# Altium PCB EMDO601_Patch.PcbDoc (part 1 of 3) (continued)
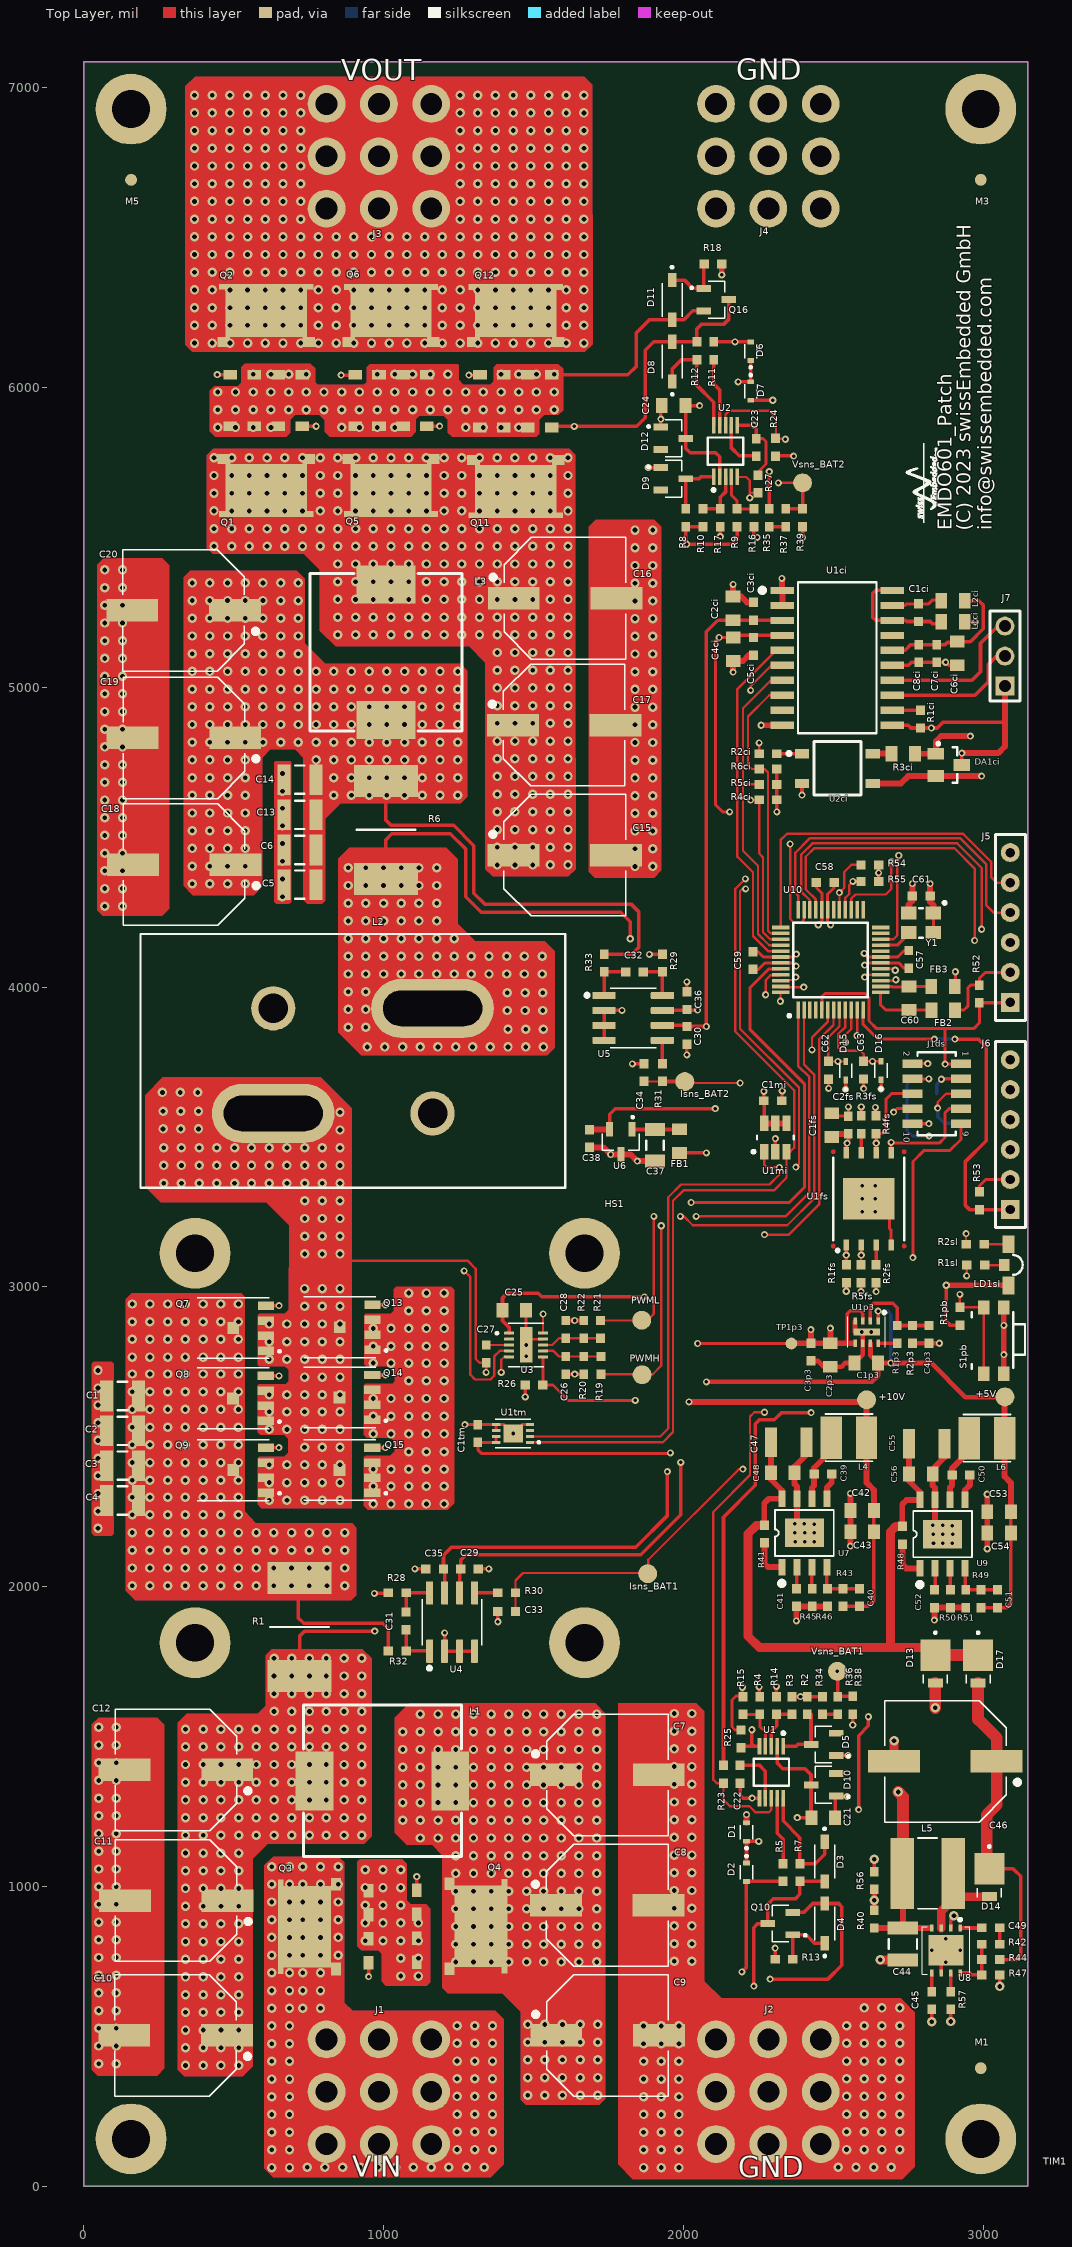
[diagram p0: Top Layer view]
## Components (designator, comment, footprint, x,y, rotation, side; value= is the part's Value field where it differs from the comment)
+5V "NO FIT" TP_1 3072.83,2632.87 r180 top value=TP
+10V "NO FIT" TP_1 2611.22,2623.03 r90 top value=TP
C1 "10u/75V" C1210#1 128.94,2635.83 r180 top
C1ci "220n" C0603 2783.96,5249.21 r270 top
C1fs "10u" C0805 2495.08,3539.67 r270 top
C1mi "100n" C0603 2298.33,3621.06 r180 top
C1p3 "10u" C0805 2610.24,2746.06 r0 top
C1tm "100n" C0603 1314.22,2510.83 r270 top
C2 "10u/75V" C1210#1 128.94,2519.69 r180 top
C2ci "10u" C0805 2165.85,5263.48 r270 top
C2fs "100n" C0603 2550.2,3539.67 r270 top
C2p3 "10u" C0805 2490.16,2772.64 r90 top
C3 "10u/75V" C1210#1 128.94,2403.54 r180 top
C3ci "100n" C0603 2233.76,5253.64 r270 top
C3p3 "100n" C0603 2425.2,2782.48 r90 top
C4 "10u/75V" C1210#1 128.94,2287.4 r180 top
C4ci "10u" C0805 2166.09,5126.97 r90 top
C4p3 "470p" C0603 2819.88,2841.54 r90 top
C5 "10u/75V" C1210#1 720.47,4341.54 r180 top
C5ci "100n" C0603 2234.01,5136.81 r90 top
C6 "10u/75V" C1210#1 720.47,4457.68 r180 top
C6ci "10u" C0805 2913.39,5113.19 r90 top
C7 "100uF/80V" CAP_80SXV47M 1746.63,1371.98 r0 top
C7ci "100n" C0603 2845.47,5113.19 r90 top
C8 "100uF/80V" CAP_80SXV47M 1746.06,937.01 r0 top
C8ci "10n" C0603 2785.43,5113.19 r90 top
C9 "100uF/80V" CAP_80SXV47M 1747.05,502.95 r0 top
C10 "100uF/80V" CAP_80SXV47M 306.1,502.95 r180 top
C11 "100uF/80V" CAP_80SXV47M 308.07,952.76 r180 top
C12 "100uF/80V" CAP_80SXV47M 307.09,1388.78 r180 top
C13 "10u/75V" C1210#1 720.47,4574.8 r180 top
C14 "10u/75V" C1210#1 720.47,4691.93 r180 top
C15 "100uF/63V" CAP_80SXV47M 1604.33,4439.96 r0 top
C16 "100uF/63V" CAP_80SXV47M 1605.31,5297.24 r0 top
C17 "100uF/63V" CAP_80SXV47M 1602.36,4874.02 r0 top
C18 "100uF/63V" CAP_80SXV47M 334.65,4408.46 r180 top
C19 "100uF/63V" CAP_80SXV47M 333.66,4831.69 r180 top
C20 "100uF/63V" CAP_80SXV47M 332.68,5256.89 r180 top
C21 "10n/100V" C0805 2466.54,1229.33 r180 top
C22 "47n" C0603 2188.98,1374.02 r90 top
C23 "47n" C0603 2243.11,5800.2 r270 top
C24 "10n/100V" C0805 1967.52,5939.96 r0 top
C25 "10u/25V" C0805 1436.02,2922.24 r180 top
C26 "100pF" C0603 1607.68,2738.19 r270 top
C27 "100n" C0603 1342.17,2776.58 r90 top
C28 "100pF" C0603 1607.68,2858.27 r90 top
C29 "100n" C0603 1286.42,2059.05 r180 top
C30 "100n" C0603 2011.81,3838.98 r90 top
C31 "100n" C0603 1074.8,1885.83 r90 top
C32 "100n" C0603 1836.61,4050.59 r0 top
C33 "100n" C0603 1410.43,1917.32 r0 top
C34 "100n" C0603 1868.11,3714.96 r270 top
C35 "100n" C0603 1170.28,2059.05 r0 top
C36 "100n" C0603 2011.81,3954.72 r270 top
C37 "10u" C1206 1905.51,3472.44 r90 top
C38 "100nF" C0603 1687.01,3495.08 r90 top
C39 "100n" C0603 2465.55,2375.98 r180 top
C40 "680p" C0603 2587.6,1963.58 r270 top
C41 "1.0u" C0603 2376.8,1963.45 r90 top
C42 "10u/25V" C0805 2596.46,2253.94 r0 top
C43 "10u/25V" C0805 2596.46,2183.07 r0 top
C44 "10u/75V" C1210#1 2732.28,808.07 r90 top
C45 "1.0u" C0603 2828.74,619.09 r90 top
C46 "100uF/63V" CAP_80SXV47M 2874.02,1417.32 r180 top
C47 "10u/63V" C1210#2 2351.38,2482.28 r180 top
C48 "100n/63V" C0805 2331.69,2379.92 r180 top
C49 "2.2n" C0603 3025.59,862.2 r0 top
C50 "100n" C0603 2926.18,2372.05 r180 top
C51 "680p" C0603 3048.23,1959.65 r270 top
C52 "1.0u" C0603 2837.43,1959.51 r90 top
C53 "10u/25V" C0805 3053.15,2250 r0 top
C54 "10u/25V" C0805 3053.15,2179.13 r0 top
C55 "10u/63V" C1210#2 2812.01,2476.38 r180 top
C56 "100n/63V" C0805 2792.32,2375.98 r180 top
C57 "100n" C0603 2751.97,4092.52 r270 top
C58 "100n" C0603 2473.43,4349.41 r180 top
C59 "100n" C0603 2232.28,4088.58 r270 top
C60 "10u" C0805 2752.95,3962.6 r270 top
C61 "100n" C0603 2793.5,4304.13 r0 top
C62 "1nF/50V" C0603 2484.25,3722.44 r90 top
C63 "1nF/50V" C0603 2601.44,3722.94 r90 top
D1 "BAS516,115" SOD523#1 2210.63,1181.1 r90 top
D2 "BAS516,115" SOD523#1 2210.63,1047.24 r270 top
D3 "1N4148W-7-F" SOD-123 2471.46,1082.68 r270 top
D4 "1N4148W-7-F" SOD-123 2471.46,876.77 r90 top
D5 "68V" SOT23-3 2467.52,1473.43 r180 top
D6 "BAS516,115" SOD523#1 2224.41,6121.06 r90 top
D7 "BAS516,115" SOD523#1 2224.41,5988.19 r270 top
D8 "1N4148W-7-F" SOD-123 1962.6,6086.61 r90 top
D9 "68V" SOT23-3 1966.54,5695.87 r0 top
D10 "68V" SOT23-3 2467.52,1338.58 r180 top
D11 "1N4148W-7-F" SOD-123 1962.6,6292.52 r270 top
D12 "68V" SOT23-3 1966.54,5830.71 r0 top
D13 "V3PM10-M3/H" DO-220AA 2840.55,1744.19 r270 top
D14 "V3PM10-M3/H" DO-220AA 3020.67,1030.61 r270 top
D15 "SDM03U40-7" SOD523#2 2541.43,3720.87 r90 top
D16 "SDM03U40-7" SOD523#2 2659.46,3721.85 r90 top
D17 "V3PM10-M3/H" DO-220AA 2983.27,1744.09 r270 top
DA1ci "PESD2CANFD27L-TR" SOT23 2885.83,4741.14 r0 top
FB1 "BLM21BD102SN1D" R0805 1987.2,3486.22 r90 top
FB2 "BLM21BD102SN1D" R0805 2867.13,3923.23 r180 top
FB3 "BLM21BD102SN1D" R0805 2866.14,4001.97 r180 top
HS1 "ATS-CPX040040020-115-C2-R0" HeatSink_ATS-CPX040040020-115-C2-R0 1020.67,2462.6 r0 top locked
Isns_BAT1 "NO FIT" TP_1 1880.91,2043.31 r90 top value=TP
Isns_BAT2 "NO FIT" TP_1 2004.92,3685.04 r0 top value=TP
J1 "74651194R" 74651194 984.25,314.96 r0 top
J1ds "62301021021" 62301021021_DEBUG 2845.11,3644.44 r270 top
J2 "74651194R" 74651194 2283.46,314.96 r0 top
J3 "74651194R" 74651194 984.25,6771.65 r0 top
J4 "74651194R" 74651194 2283.46,6771.65 r0 top
J5 "61300611121" Header-2.54m-6pin 3090.55,3948.82 r180 top
J6 "61300611121" Header-2.54m-6pin 3090.55,3258.07 r180 top
J7 "61300311121" HEADER-2.54M-3PIN 3072.83,5004.33 r180 top
L1 "3.3uH/20.2A" IND_IHLP5050FDER3R3M5A 996.06,1352.36 r180 top locked
L1ci "BLM21PG221SN1D" L0805 2899.61,5218.5 r0 top
L2 "3.3uH/75A" IND_7443763521033 897.64,3753.94 r0 top locked
L2ci "BLM21PG221SN1D" L0805 2899.61,5289.37 r0 top
L3 "0.22uH/68A" IND_IHLP5050EZERR22M5A 1007.87,5117.13 r90 top
L4 "15uH/1.6A" MPL-SE4030 2552.17,2497.05 r0 top
L5 "220uH" IND_SRN6045 2814.96,1043.31 r0 top
L6 "15uH/1.6A" MPL-SE4030 3012.8,2495.08 r0 top
LD1sl "SM1204BC" SM1204BC 3066.93,3073.33 r0 top
M1 "Marker" PASSER-KREIS 2992.13,393.7 r0 top value=NB
M2 "Marker" PASSER-KREIS 2992.13,393.7 r180 bottom value=NB
M3 "Marker" PASSER-KREIS 2992.13,6692.91 r0 top value=NB
M4 "Marker" PASSER-KREIS 2992.13,6692.91 r180 bottom value=NB
M5 "Marker" PASSER-KREIS 157.48,6692.91 r0 top value=NB
M6 "Marker" PASSER-KREIS 157.48,6692.91 r180 bottom value=NB
PWMH "NO FIT" TP_1 1862.2,2706.69 r0 top value=TP
PWML "NO FIT" TP_1 1861.22,2888.78 r0 top value=TP
Q1 "SQJQ184E-T1_GE3" POWERPAK8X8L 608.66,5724.61 r180 top
Q2 "SQJQ184E-T1_GE3" POWERPAK8X8L 608.47,6189.76 r0 top
Q3 "SQJQ184E-T1_GE3" POWERPAK8X8L 803.35,865.75 r90 top
Q4 "SQJQ184E-T1_GE3" POWERPAK8X8L 1256.89,867.13 r270 top
Q5 "SQJQ184E-T1_GE3" POWERPAK8X8L 1024.61,5724.41 r180 top
Q6 "SQJQ184E-T1_GE3" POWERPAK8X8L 1024.61,6188.98 r0 top
Q7 "SIDR5802EP-T1-RE3" "POWERPAK SO-8DC" 552.68,2862.44 r90 top
Q8 "SIDR5802EP-T1-RE3" "POWERPAK SO-8DC" 552.48,2627.99 r90 top
Q9 "SIDR5802EP-T1-RE3" "PowerPAK SO-8DC" 552.76,2388.58 r90 top
Q10 "MMBTA06-7-F" SOT23-3 2323.82,875.98 r180 top
Q11 "SQJQ184E-T1_GE3" POWERPAK8X8L 1441.14,5720.67 r180 top
Q12 "SQJQ184E-T1_GE3" POWERPAK8X8L 1441.34,6188.78 r0 top
Q13 "SIDR5802EP-T1-RE3" "POWERPAK SO-8DC" 908.13,2865.26 r90 top
Q14 "SIDR5802EP-T1-RE3" "POWERPAK SO-8DC" 907.6,2631.14 r90 top
Q15 "SIDR5802EP-T1-RE3" "PowerPAK SO-8DC" 907.48,2388.78 r90 top
Q16 "MMBTA06-7-F" SOT23-3 2110.24,6293.31 r0 top
R1 "2mR" R3921 719.49,1865.16 r90 top
R1ci "47k" R0603 2790.85,4893.9 r90 top
R1fs "4.7k" R0603 2544.29,3043.6 r270 top
R1p3 "118k" R0603 2713.58,2841.54 r270 top
R1pb "4.7k" R0603 2922.24,2902.07 r270 top
R1sl "270" R0603 2975.54,3072.49 r0 top
R2 "2.87k" R0603 2413.39,1603.35 r90 top
R2ci "470" R0603 2282.48,4778.54 r0 top
R2fs "10k" R0603 2642.72,3043.6 r270 top
R2p3 "150k" R0603 2764.76,2841.54 r90 top
R2sl "270" R0603 2973.58,3142.37 r0 top
R3 "100k" R0603 2362.2,1603.35 r90 top
R3ci "120" R0805 2733.27,4778.54 r0 top
R3fs "10k" R0603 2593.5,3540.65 r90 top
R4 "20.5k" R0603 2254.92,1603.35 r90 top
R4ci "4.7k" R0603 2282.48,4625 r0 top
R4fs "4.7k" R0603 2642.72,3540.65 r270 top
R5 "20.5k" R0603 2332.68,1046.26 r270 top
R5ci "4.7k" R0603 2282.48,4676.18 r0 top
R5fs "10k" R0603 2592.52,3043.6 r90 top
R6 "0.5mR" R3921 1007.87,4524.61 r90 top
R6ci "4.7k" R0603 2282.48,4727.36 r0 top
R7 "2k" R0603 2388.78,1046.26 r270 top
R8 "3.9k" R0603 2007.87,5565.94 r270 top
R9 "20.5k" R0603 2179.13,5565.94 r270 top
R10 "100k" R0603 2065.95,5565.94 r270 top
R11 "5.1k" R0603 2101.38,6123.03 r90 top
R12 "2k" R0603 2045.28,6123.03 r270 top
R13 "330k" R0603 2335.63,756.89 r0 top
R14 "3.6k" R0603 2311.02,1603.35 r270 top
R15 "5.1k" R0603 2198.82,1603.35 r270 top
R16 "5.1k" R0603 2235.24,5565.94 r90 top
R17 "3.6k" R0603 2123.03,5565.94 r90 top
R18 "330k" R0603 2098.43,6412.4 r180 top
R19 "2.2R" R0603 1724.8,2738.19 r90 top
R20 "10k" R0603 1667.72,2738.19 r90 top
R21 "2.2R" R0603 1723.82,2858.27 r270 top
R22 "10k" R0603 1667.72,2858.27 r270 top
R23 "10k" R0603 2133.86,1374.02 r270 top
R24 "10k" R0603 2307.09,5801.18 r90 top
R25 "10k" R0603 2191.93,1492.13 r270 top
R26 "10k" R0603 1501.97,2672.24 r0 top
R27 "10k" R0603 2249.02,5678.15 r270 top
R28 "10R" R0603 1045.28,1979.33 r0 top
R29 "10R" R0603 1930.12,4080.12 r270 top
R30 "10k" R0603 1410.43,1979.33 r0 top
R31 "10k" R0603 1930.12,3714.96 r270 top
R32 "10R" R0603 1045.28,1785.43 r0 top
R33 "10R" R0603 1736.22,4080.12 r270 top
R34 "20R" R0603 2463.58,1603.35 r270 top
R35 "20R" R0603 2286.42,5565.94 r270 top
R36 "100k" R0603 2514.77,1603.34 r270 top
R37 "100k" R0603 2341.54,5565.94 r270 top
R38 "5.36k" R0603 2564.96,1604.33 r270 top
R39 "5.36k" R0603 2397.64,5565.94 r270 top
R40 "66.5k" R0603 2636.81,890.75 r270 top
R41 "100k" R0603 2270.67,2175.2 r270 top
R42 "73.2k" R0603 3025.59,807.09 r180 top
R43 "90.9k" R0603 2532.48,1963.58 r270 top
R44 "54.9k" R0603 3025.59,755.91 r0 top
R45 "30.9k" R0603 2429.95,1963.45 r90 top
R46 "10k" R0603 2481.3,1963.58 r90 top
R47 "1.47k" R0603 3025.59,704.72 r180 top
R48 "100k" R0603 2731.3,2171.26 r270 top
R49 "40.2k" R0603 2993.11,1959.65 r270 top
R50 "30.9k" R0603 2890.58,1959.51 r90 top
R51 "10k" R0603 2941.93,1959.65 r90 top
R52 "4.7k" R0603 2987.2,3977.36 r90 top
R53 "4.7k" R0603 2988.19,3287.4 r90 top
R54 "4.7k" R0603 2622.04,4407.72 r0 top
R55 "4.7k" R0603 2622.04,4352.61 r0 top
R56 "15.8k" R0603 2636.81,1019.69 r270 top
R57 "52.3k" R0603 2891.73,619.09 r90 top
S1pb "434351045816" "SW WURTH" 3035.43,2820.37 r90 top
TIM1 "PL-1-5-76X127-60" TIM 3205.77,37.96 r90 top
TP1ds "SE Debug" DEBUG_TP 2943.54,3742.86 r180 bottom
TP1p3 "TP" TP 2360.24,2811.02 r270 top
U1 "LM5060Q1MMX/NOPB" MSOP-10 2293.31,1380.91 r270 top
U1ci "ADM3057EBRWZ" SOIC-20 2513.29,5098.62 r0 top
U1fs "MT25QL512ABB1EW9-0SIT" SON127P800X600X80-9N-D 2618.31,3293.6 r90 top
U1mi "24AA025E48T-I/OT" MCHP-SOT-23-OT6_M 2306.79,3498.03 r90 top
U1p3 "LMZ10501SILT" "TI SIL" 2611.22,2849.41 r270 top
U1tm "MCP9808T-E/MC" MCP9808-DFN 1431.94,2510.83 r180 top
U2 "LM5060Q1MMX/NOPB" MSOP-10 2140.75,5788.39 r90 top
U2ci "AQY282S" AQY282S 2395.67,4779.13 r270 top
U3 "LM5108DRCT" VSON-10 1475.39,2806.1 r0 top
U4 "INA240A2QDRQ1" SOIC-8 1228.35,1881.89 r90 top
U5 "INA240A2QDRQ1" SOIC-8 1832.68,3897.05 r0 top
U6 "REF3133AIDBZTG4" SOT23-3 1791.34,3483.27 r270 top
U7 "MP4581GN-Z" SOIC-8EP 2403.96,2179 r90 top
U8 "LM5001SDE/NOPB" WSON8-LM5001 2875.98,786.42 r270 top
U9 "MP4581GN-Z" SOIC-8EP 2864.59,2175.06 r90 top
U10 "dsPIC33CH512MP505-I/PT" TQFP-48 2491.14,4090.55 r90 top
Vsns_BAT1 "NO FIT" TP_1 2513.78,1717.52 r0 top value=TP
Vsns_BAT2 "NO FIT" TP_1 2397.64,5682.09 r0 top value=TP
Y1 "8MHz" ASE 2792.8,4214.27 r180 top

## Footprints (in the part's own frame and the unit in brackets; to place one, negate y for a bottom-side part, rotate by r counter-clockwise, add the part's x,y. Pads: shape width x height; smd on the part's side, far side on the other; paste and mask are expansions set on the pad)
74651194 [mm] "Shank, THR, 9 pins, 10x10mm, M4, thread 5mm"
  round 3.2 hole 1.85: 1(-4.435,-4.435) 1(-4.435,0) 1(-4.435,4.435) 1(0,-4.435) 1(0,0) 1(0,4.435) 1(4.435,-4.435) 1(4.435,0) 1(4.435,4.435)
  body extent -5,-5 5,5, height 8.5
62301021021_DEBUG [mm] "Socket Header, Pitch 1.27 mm, SMT, Vertical, dual row, 10p"
  rect 0.74x1.7 smd: 1(-2.54,2.05) 2(-2.54,-2.05) 3(-1.27,2.05) 4(-1.27,-2.05) 5(0,2.05) 6(0,-2.05) 7(1.27,2.05) 8(1.27,-2.05) 9(2.54,2.05) 10(2.54,-2.05)
  silkscreen extent -3.52,-1.62 3.52,1.63, body extent -3.37,-2.3 3.38,2.3, height 4.6
AQY282S [mm] "Panasonic PhotoMOS Relay"
  rect 0.8x1.2 smd: 1(0,0) 2(2.54,0) 3(2.54,6) 4(0,6)
  silkscreen extent -1,-1.25 3.5,5, body extent -0.93,0.8 3.47,5.2, height 2
ASE [mm] "Abracon ASE Serie"
  rect 1.3x1.1 smd: 1(-1.05,-0.825) 2(1.05,-0.825) 3(1.05,0.825) 4(-1.05,0.825)
  silkscreen extent -2.1,-1.8 0.15,1.25, body extent -1.6,-1.25 1.6,1.25, height 1.2
C0603 [mm] "CAPACITOR SMD 0603"
  rect 0.8x0.75 smd: 1(-0.75,0) 2(0.75,0)
  body extent -1,-0.39 1,0.39, height 0.79
C0805 [mm]
  rect 1x1.25 smd: 1(-1,0) 2(1,0)
  body extent -1.25,-0.62 1.25,0.62, height 0.79
C1206 [mm] "Chip Capacitor, Body 3.2x1.6mm, IPC High Density"
  rect 1.1x1.7 smd: 1(-1.35,0) 2(1.35,0)
  silkscreen extent -0.4,-0.75 0.4,0.75, body extent -1.7,-0.9 1.7,0.9, height 1.3
C1210#1 [mm] "Chip Capacitor, Body 3.2x2.5mm, IPC High Density"
  rect 1.1x2.6 smd: 1(-1.35,0) 2(1.35,0)
  silkscreen extent -0.4,-1.2 0.4,1.2, body extent -1.7,-1.35 1.7,1.35, height 1.3
C1210#2 [mm] "CAPACITOR SMD 1210"
  rect 1x2.5 smd: 1(-1.5,0) 2(1.5,0)
  body extent -2,-1.24 2,1.24, height 1.7
CAP_80SXV47M [mm]
  rect 4.4x1.9 smd: 1(-4.35,0) 2(4.35,0)
  silkscreen extent -6.3,-5.15 5.15,5.15, body extent -5.5,-5.15 5.5,5.15, height 12.6
DEBUG_TP [mm] "Testpoint"
  round 1 smd paste-1: 1(0,0) 2(5,0) 3(2.5,-2.5) 4(5,-5) 5(0,-5)
  body extent -0.54,-5.58 5.54,0.5, height 0
DO-220AA [mil]
  rect 30x50 smd: A(65.06,0)
  rect 105.12x100 smd paste-78.74: C(-27.5,0)
  silkscreen extent -106,-40 67,40, body extent -76,-39 75,39, height 45
HEADER-2.54M-3PIN [mm] "Socket Header, Pitch 2.00 mm, SMT, Vertical, dual row, 10p"
  rect 1.6x1.6 hole 1: 1(0,0)
  round 1.6 hole 1: 2(0,-2.54) 3(0,-5.08)
  silkscreen extent -1.27,-6.35 1.27,1.27, body extent -1.27,-6.35 1.27,1.27, height 8.69
Header-2.54m-6pin [mm] "Socket Header, Pitch 2.00 mm, SMT, Vertical, dual row, 10p"
  rect 1.6x1.6 hole 0.8: 1(0,0)
  round 1.6 hole 0.8: 2(0,-2.54) 3(0,-5.08) 4(0,-7.62) 5(0,-10.16) 6(0,-12.7)
  silkscreen extent -1.27,-14.22 1.27,1.52
HeatSink_ATS-CPX040040020-115-C2-R0 [mm]
  round 6 hole 3.2: 0(-16.5,-16.5) 0(-16.5,16.5) 0(16.5,-16.5) 0(16.5,16.5)
  body extent -20.05,-20.12 19.95,19.88, height 12.29
IND_7443763521033 [mm] "THT High Current Inductor, body 36x21.5mm"
  oval 10.4x5 hole 3 slot 8.4 at 0 deg: 1(-6.75,-4.45) 2(6.75,4.45)
  round 3.75 hole 2.5: MH1(-6.75,4.45) MH2(6.75,-4.45)
  silkscreen extent -18,-10.75 18,10.75, body extent -17.6,-10.25 17.6,10.25, height 33.45
IND_IHLP5050EZERR22M5A [mm]
  rect 3.2x5 smd: 1(-5.75,0) 2(5.75,0)
  silkscreen extent -6.68,-6.42 6.68,6.43, body extent -6.68,-6.22 6.68,6.63, height 6.29
IND_IHLP5050FDER3R3M5A [mm]
  rect 3.2x5 smd: 1(-5.75,0) 2(5.75,0)
  silkscreen extent -6.68,-6.42 6.68,6.43, body extent -6.68,-6.22 6.68,6.63, height 6.29
IND_SRN6045 [mil]
  rect 79x236 smd: 1(-85,0) 2(85,0)
  silkscreen extent -32,-118 32,118, body extent -118,-118 118,118, height 177
L0805 [mm] "Inductor / Ferrite 0805"
  rect 1x1.3 smd: 1(-1,0) 2(1,0)
  body extent -1,-0.6 1,0.6, height 0.95
MCHP-SOT-23-OT6_M [mm] "SOT23, 6-Leads, Body 2.9x1.55mm, Pitch 0.95mm, IPC Low Density"
  rect 1.3x0.7 smd: 1(-1.2,0.95) 2(-1.2,0) 3(-1.2,-0.95) 4(1.2,-0.95) 5(1.2,0) 6(1.2,0.95)
  silkscreen extent -1.32,-1.55 0.15,1.97, body extent -0.9,-1.55 0.9,1.55, height 1.45
MCP9808-DFN [mm]
  rect 1.64x1.5 smd paste-0.312: 0(0,0)
  rrect25% 0.7x0.26 smd: 1(-1.435,0.75) 2(-1.435,0.25) 3(-1.435,-0.25) 4(-1.435,-0.75) 5(1.435,-0.75) 6(1.435,-0.25) 7(1.435,0.25) 8(1.435,0.75)
  silkscreen extent -2.28,-1.2 1.5,1.2, body extent -1.5,-1 1.5,1, height 1
MPL-SE4030 [mm]
  rect 1.8x3.6 smd: 1(-1.5,0) 2(1.5,0)
  silkscreen extent -2,-2 2,2, body extent -2,-2 2,2, height 3.1
MSOP-10 [mm]
  rect 1.4x0.3 smd: 1(-2.2,1) 2(-2.2,0.5) 3(-2.2,0) 4(-2.2,-0.5) 5(-2.2,-1) 6(2.2,-1) 7(2.2,-0.5) 8(2.2,0) 9(2.2,0.5) 10(2.2,1)
  silkscreen extent -3.43,-1.5 1.15,1.5, body extent -2.46,-1.5 2.46,1.5, height 1.06
PASSER-KREIS [mm]
  round 1 smd paste-0.5 mask+0.05: 1(0,0)
  Top Layer pour cut-out: -1.5,1.5 1.5,1.5 1.5,-1.5 -1.5,-1.5
POWERPAK8X8L [mm]
  rect 0.55x0.5 smd: D(-3.725,3.72) D(3.725,3.72)
  rect 1.07x0.85 smd: D(-3.59,-0.945) D(3.59,-0.945)
  rect 6.9x4.49 smd: D(0,1.725)
  rect 1.15x0.82 smd: G(-3.045,-3.72) S(-1.015,-3.72) S(1.015,-3.72) S(3.045,-3.72)
  body extent -4,-4.13 4,3.87, height 1
"POWERPAK SO-8DC" [mm]
  rect 1x1 smd: D(0,1.385)
  rect 0.71x1.372 smd paste-2: G(1.905,-1.385) S(-1.905,-1.385) S(-0.635,-1.385) S(0.635,-1.385)
  Top Layer region: -1.55,4.841 -1.55,4.251 -0.99,4.251 -0.99,4.841 -0.28,4.841 -0.28,4.251 0.28,4.251 0.28,4.841 0.99,4.841 0.99,4.251 1.55,4.251 1.55,4.841 2.26,4.841 2.26,0.401 -2.26,0.401 -2.26,4.841
  silkscreen extent -2.57,-2.64 2.58,4.44, body extent -2.5,-1.62 2.5,4.39, height 1.05
"PowerPAK SO-8DC" [mm]
  rect 1x1 smd: D(0,1.385)
  rect 0.71x1.372 smd paste-2: G(1.905,-1.385) S(-1.905,-1.385) S(-0.635,-1.385) S(0.635,-1.385)
  Top Layer region: -1.55,4.841 -1.55,4.251 -0.99,4.251 -0.99,4.841 -0.28,4.841 -0.28,4.251 0.28,4.251 0.28,4.841 0.99,4.841 0.99,4.251 1.55,4.251 1.55,4.841 2.26,4.841 2.26,0.401 -2.26,0.401 -2.26,4.841
  silkscreen extent -2.57,-2.64 2.58,4.44, body extent -2.5,-1.62 2.5,4.39, height 1.05
R0603 [mm] "RESISTOR SMD 0603"
  rect 0.8x0.75 smd: 1(-0.75,0) 2(0.75,0)
  body extent -1,-0.39 1,0.39, height 0.79
R0805 [mm]
  rect 1x1.3 smd: 1(-1,0) 2(1,0)
  body extent -1.06,-0.63 0.96,0.64, height 0.61
R3921 [mm]
  rect 2.7x5.45 smd: 1(-4.15,0) 2(4.15,0)
  silkscreen extent 0,-2.5 0,2.5, body extent -5,-2.54 5,2.66, height 1.19
SM1204BC [mm] "LED"
  rect 1x1.5 smd: 1(0.45,-1.75) 3(0.45,1.75)
  rect 0.9x1 smd: 2(0.1,0)
  silkscreen extent 0.85,-0.85 1.65,0.85, body extent 0.35,-1.6 1.84,1.6, height 0.99
SOD523#1 [mm]
  rect 0.4x0.56 smd: A(0.785,0) C(-0.785,0)
  silkscreen extent -1.46,-0.52 0.6,0.52, body extent -0.8,-0.4 0.8,0.4, height 0.65
SOD523#2 [mm]
  rect 0.56x0.4 smd: A(0.785,0) C(-0.785,0)
  silkscreen extent -1.67,-0.52 0.6,0.52, body extent -0.8,-0.4 0.8,0.4, height 0.65
SOD-123 [mm]
  rect 1.21x0.73 smd: A(1.68,0) C(-1.68,0)
  silkscreen extent -2.87,-0.85 1.43,0.85, body extent -1.83,-0.77 1.83,0.77, height 1.5
SOIC-8 [mm]
  rrect25% 1.97x0.6 smd: 1(-2.47,1.905) 2(-2.47,0.635) 3(-2.47,-0.635) 4(-2.47,-1.905) 5(2.47,-1.905) 6(2.47,-0.635) 7(2.47,0.635) 8(2.47,1.905)
  silkscreen extent -4.06,-2.52 1.95,2.52, body extent -3,-2.45 3,2.45, height 1.75
SOIC-8EP [mm]
  rect 1.4x0.6 smd: 1(-2.9,1.905) 2(-2.9,0.635) 3(-2.9,-0.635) 4(-2.9,-1.905) 5(2.9,-1.905) 6(2.9,-0.635) 7(2.9,0.635) 8(2.9,1.905)
  rect 2.42x3.3 smd: 9(0,0)
  silkscreen extent -4.47,-2.49 1.95,2.49, body extent -3.02,-2.45 2.98,2.45, height 1.75
SOIC-20 [mm]
  rect 2x0.6 smd: 1(-4.65,5.715) 2(-4.65,4.445) 3(-4.65,3.175) 4(-4.65,1.905) 5(-4.65,0.635) 6(-4.65,-0.635) 7(-4.65,-1.905) 8(-4.65,-3.175) 9(-4.65,-4.445) 10(-4.65,-5.715) 11(4.65,-5.715) 12(4.65,-4.445) 13(4.65,-3.175) 14(4.65,-1.905) 15(4.65,-0.635) 16(4.65,0.635) 17(4.65,1.905) 18(4.65,3.175) 19(4.65,4.445) 20(4.65,5.715)
  silkscreen extent -6.55,-6.4 3.32,6.4, body extent -5.16,-6.4 5.16,6.4, height 2.65
SON127P800X600X80-9N-D [mm]
  rect 3.5x4.4 smd paste-4.4: 0(0,0)
  rect 0.95x0.45 smd: 1(-3.9,1.905) 2(-3.9,0.635) 3(-3.9,-0.635) 4(-3.9,-1.905) 5(3.9,-1.905) 6(3.9,-0.635) 7(3.9,0.635) 8(3.9,1.905)
  Top Layer circle w0.2: c-4,3 r0.1
  Top Layer circle w0.2: c-4,-3 r0.1
  Top Layer circle w0.2: c4,-3 r0.1
  Top Layer circle w0.2: c4,3 r0.1
  silkscreen extent -4.5,-3 3.5,3, body extent -4.05,-3 4.05,3, height 0.8
SOT23 [mm] "SOT23 semtech SM712"
  rect 1.4x1 smd: 1(-1.1,0.95) 2(-1.1,-0.95) 3(1.1,0)
  silkscreen extent -1.02,-1.5 0.7,1.92, body extent -1.47,-1.5 1.47,1.5, height 1.1
SOT23-3 [mm]
  rect 1.23x0.59 smd: 1(-1.06,0.95) 2(-1.06,-0.95) 3(1.06,0)